# Altium PCB OZ440-SE110-CAR001.PcbDoc (part 1 of 2) (continued)
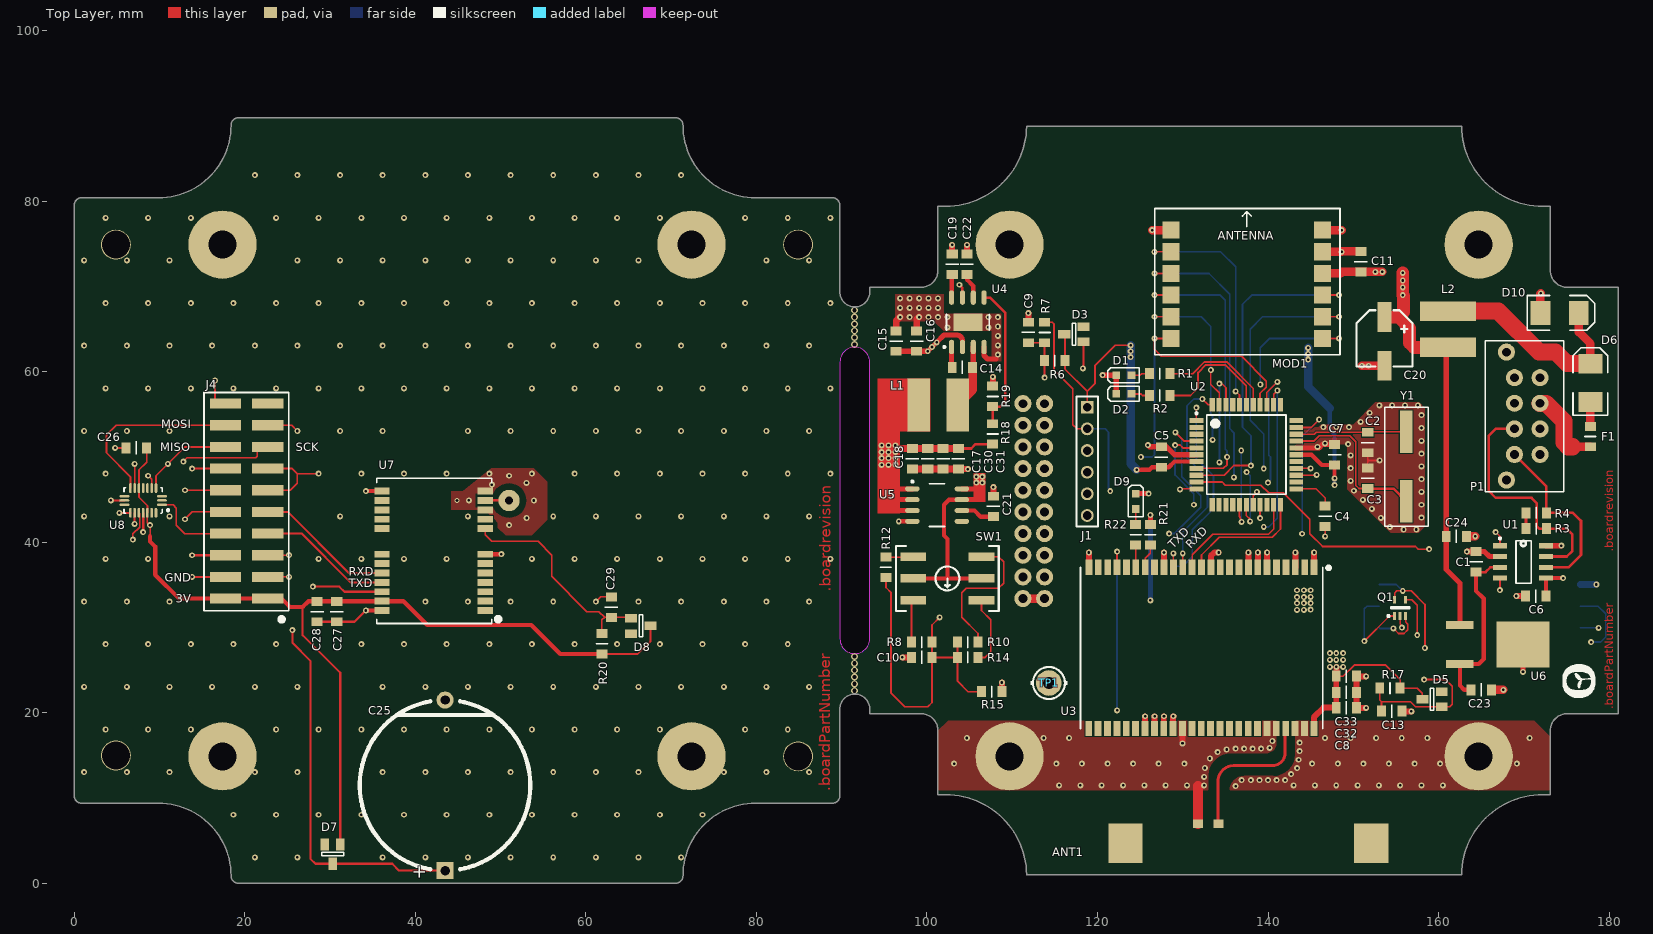
[diagram p0: Top Layer view]
## Footprints (in the part's own frame and the unit in brackets; to place one, negate y for a bottom-side part, rotate by r counter-clockwise, add the part's x,y. Pads: shape width x height; smd on the part's side, far side on the other; paste and mask are expansions set on the pad) (continued)
  silkscreen extent -2.69,-2.46 24.16,7.47, body extent -1.27,-1.07 24.13,6.3, height 11.9
DO214AA-STD [mm]
  rect 2.3x2.8 smd: A(-2.25,0) K(2.25,0)
  silkscreen extent -3.8,-2.03 4.1,2.03, body extent -2.79,-1.97 2.79,1.97, height 2.6
L-SPE-EPL6024 [mm]
  rect 2.65x6.2 smd: 1(0,0) 2(4.55,0)
  body extent -1.01,-3.1 5.59,3.1, height 2.3
L-SPE-LPS6235 [mm]
  rect 2.3x6.6 smd: 1(0,0) 2(4.25,0)
  body extent -0.92,-3.08 5.29,3.13, height 3.5
LGA20-SPE-BMX055 [mm]
  oval 0.3x1.15 smd mask+0.05: 1(-1.5,1.45) 2(-1,1.45) 3(-0.5,1.45) 4(0,1.45) 5(0.5,1.45) 6(1,1.45) 7(1.5,1.45) 11(1.5,-1.45) 12(1,-1.45) 13(0.5,-1.45) 14(0,-1.45) 15(-0.5,-1.45) 16(-1,-1.45) 17(-1.5,-1.45)
  oval 1.15x0.3 smd mask+0.05: 8(2.2,0.5) 9(2.2,0) 10(2.2,-0.5) 18(-2.2,-0.5) 19(-2.2,0) 20(-2.2,0.5)
  silkscreen extent -3.04,-1.5 2.25,1.5, body extent -2.22,-1.52 2.22,1.52, height 1
MEC-STD-TEST_POINT_DIAM1.4 [mm] "test point, hole diameter 1.4mm"
  round 3 hole 1.4: 1(0,0)
  silkscreen extent -2.16,-1.87 2.16,1.87, body extent -1.5,-1.5 1.5,1.5, height 8.6
MOD-SPE-MRF89 [mm]
  rect 2x2 smd: 1(0,0) 2(0,-2.54) 3(0,-5.08) 4(0,-7.62) 5(0,-10.16) 6(0,-12.7) 7(17.78,-12.7) 8(17.78,-10.16) 9(17.78,-7.62) 10(17.78,-5.08) 11(17.78,-2.54) 12(17.78,0)
  silkscreen extent -1.91,-14.6 19.81,2.54, body extent -0.25,-14.22 17.53,13.68, height 1.59
R0805-STD [mm]
  rect 1.05x1.3 smd: 1(-1.2,0) 2(1.2,0)
  silkscreen extent 0,-0.64 0,0.64, body extent -1,-0.61 1,0.64, height 0.6
RADIAL-STD-P20-H5-D20 [mm]
  rect 2x2 hole 1.1: 1(-10,0)
  round 2 hole 1.1: 2(10,0)
  silkscreen extent -9.85,-10 9.85,10, body extent -9.97,-9.89 9.95,10.07, height 5
SC70-SPE-SP0504 [mm]
  rect 0.9x0.35 smd: 1(-0.95,0.65) 2(-0.95,0) 3(-0.95,-0.65) 4(0.95,-0.65) 5(0.95,0.65)
  silkscreen extent -1.07,-1.1 0.1,1.5, body extent -0.67,-1.1 0.67,1.1, height 1
SMD24-SPE-NEO7 [mm]
  rect 1.8x0.8 smd: 1(0,0) 2(0,1.1) 3(0,2.2) 4(0,3.3) 5(0,4.4) 6(0,5.5) 7(0,6.6) 8(0,9.604) 9(0,10.704) 10(0,11.804) 11(0,12.904) 12(0,14.004) 13(-12.1,14.004) 14(-12.1,12.904) 15(-12.1,11.804) 16(-12.1,10.704) 17(-12.1,9.604) 18(-12.1,6.6) 19(-12.1,5.5) 20(-12.1,4.4) 21(-12.1,3.3) 22(-12.1,2.2) 23(-12.1,1.1) 24(-12.1,0)
  silkscreen extent -12.7,-1.52 1.78,15.49, body extent -12.7,-1.27 0.51,15.24, height 3
SMD50_SPE_LEON-Gx [mm]
  rect 1.8x0.8 smd: 1(0,26.4) 2(0,25.3) 3(0,24.2) 4(0,23.1) 5(0,22) 6(0,20.9) 7(0,19.8) 8(0,18.7) 9(0,17.6) 10(0,16.5) 11(0,15.4) 12(0,14.3) 13(0,13.2) 14(0,12.1) 15(0,11) 16(0,9.9) 17(0,8.8) 18(0,7.7) 19(0,6.6) 20(0,5.5) 21(0,4.4) 22(0,3.3) 23(0,2.2) 24(0,1.1) 25(0,0) 26(18.9,-0.025) 27(18.9,1.075) 28(18.9,2.175) 29(18.9,3.275) 30(18.9,4.375) 31(18.9,5.475) 32(18.9,6.575) 33(18.9,7.675) 34(18.9,8.775) 35(18.9,9.875) 36(18.9,10.975) 37(18.9,12.075) 38(18.9,13.175) 39(18.9,14.275) 40(18.9,15.375) 41(18.9,16.475) 42(18.9,17.575) 43(18.9,18.675) 44(18.9,19.775) 45(18.9,20.875) 46(18.9,21.975) 47(18.9,23.075) 48(18.9,24.175) 49(18.9,25.275) 50(18.9,26.375)
  silkscreen extent -0.08,-1 18.9,28.24, body extent 0,-1 18.9,27.5, height 3.5
SO8-SPE-MCP2561 [mm]
  rect 1.65x0.6 smd: 1(0,0) 2(0,-1.27) 3(0,-2.54) 4(0,-3.81) 5(5.4,-3.81) 6(5.4,-2.54) 7(5.4,-1.27) 8(5.4,0)
  silkscreen extent -0.12,-4.41 3.68,0.97, body extent -0.4,-4.35 5.74,0.54, height 1.73
SO8-STD [mm]
  oval 1.7x0.6 smd: 1(0,0) 2(0,-1.27) 3(0,-2.54) 4(0,-3.81) 5(5.8,-3.81) 6(5.8,-2.54) 7(5.8,-1.27) 8(5.8,0)
  silkscreen extent -0.12,-4.41 3.8,0.97, body extent -0.15,-4.37 5.99,0.52, height 1.73
SO8_THERMAL-STD [mm]
  oval 1.7x0.6 smd: 1(0,0) 2(0,-1.27) 3(0,-2.54) 4(0,-3.81) 5(5.8,-3.81) 6(5.8,-2.54) 7(5.8,-1.27) 8(5.8,0)
  rect 2x3.4 smd: 9(2.9,-1.905)
  silkscreen extent -0.12,-4.41 3.8,0.97, body extent -0.15,-4.37 5.99,0.52, height 1.73
SOT23-STD [mm]
  rect 1.4x1 smd: 1(2.275,-0.9) 2(2.275,0.9)
  rect 1.425x1 smd: 3(0,0)
  silkscreen extent 0.94,-1.3 1.35,1.27, body extent -0.18,-1.5 2.46,1.5, height 1.08
SW-SPE-CTS_220-AMA16 [mm]
  rect 3x1 smd: 1(0,5.08) 2(7.985,0) 4(0,0) 8(7.985,5.08) C(0,2.54) C(7.985,2.54)
  silkscreen extent -2.03,-1.27 10.02,6.35, body extent -0.94,-1.16 9.06,6.24, height 4.25
TO252-SPE-UA78Mxx [mm]
  rect 0.93x3.2 smd: 1(0,0) 3(4.58,0)
  rect 5.4x6.2 smd: 4(2.29,7.4)
  body extent -1.04,-0.3 5.69,9.8, height 2.37
TQFP44-SPE-PIC18F45k80 [mm]
  rect 1.6x0.6 smd: 1(-5.85,4) 2(-5.85,3.2) 3(-5.85,2.4) 4(-5.85,1.6) 5(-5.85,0.8) 6(-5.85,0) 7(-5.85,-0.8) 8(-5.85,-1.6) 9(-5.85,-2.4) 10(-5.85,-3.2) 11(-5.85,-4) 23(5.85,-4) 24(5.85,-3.2) 25(5.85,-2.4) 26(5.85,-1.6) 27(5.85,-0.8) 28(5.85,0) 29(5.85,0.8) 30(5.85,1.6) 31(5.85,2.4) 32(5.85,3.2) 33(5.85,4)
  rect 0.6x1.6 smd: 12(-4,-5.85) 13(-3.2,-5.85) 14(-2.4,-5.85) 15(-1.6,-5.85) 16(-0.8,-5.85) 17(0,-5.85) 18(0.8,-5.85) 19(1.6,-5.85) 20(2.4,-5.85) 21(3.2,-5.85) 22(4,-5.85) 34(4,5.85) 35(3.2,5.85) 36(2.4,5.85) 37(1.6,5.85) 38(0.8,5.85) 39(0,5.85) 40(-0.8,5.85) 41(-1.6,5.85) 42(-2.4,5.85) 43(-3.2,5.85) 44(-4,5.85)
  silkscreen extent -5.97,-4.65 4.65,4.97, body extent -6.01,-6.01 6.01,6.01, height 1.1
XTAL-SPE-HC49_SMD [mm]
  rect 5x1.5 smd: 1(0,0) 2(8.15,0)
  silkscreen extent -2.92,-2.59 11.02,2.54, body extent -2.21,-2.44 10.59,2.39, height 4.3

## Part data
ANT1: library part PA.22, "GSM triband antenna"
ANT2: library part GP.1575.35.3.A.02, "35mm GPS patch antenna"
C1 C5 C6 C7 C9 C10 C11 C13 C14 C26 C28 C29 C33: library part VJ0805Y104KXAxx, "0805 100nF / 50V  X7R ceramic capacitor"
C2 C3: library part C0805C150J5GACxx, "0805 15pF / 50V COG ceramic capacitor"
C4: library part C0805C106K9PACxx, "0805 10uF / 6.3V X5R ceramic capacitor"
C8 C32: library part C0805C685K8PACxx, "0805 6.8uF / 10V X5R ceramic capacitor"
C15 C16 C22 C23 C24 C27: library part C0805C105K4RACxx, "0805 1uF / 16V X7R ceramic capacitor"
C17 C18 C30 C31: library part C0805C226M9PACxx, "0805 22uF / 6.3V X5R ceramic capacitor"
C19: library part C0805C682J5GACxx, "0805 6.8nF / 50V COG ceramic capacitor"
C20: library part B41142A4107M, "100uF/16V Aluminium capacitor SMD"
C21: library part VJ0805Y102KXBxx, "0805 1nF / 100V X7R ceramic capacitor"
C25: library part EDLSG105H5R5C, "1F 5V capacitor"
D1 D2 D9: library part KP-1608SGC, "SMD Green LED 0603"
D3 D5 D8: library part BAS16, "100V / 120mA signal  diode"
D6: library part SS24-E3/xxx, "2A/40V schottky diode in SMB package"
D7: library part BAS40, "40V / 120mA signal schottky diode"
D10: library part SMBJ13A, "13V TVS diode, 600W"
F1: library part F0805B2R00FWTR, "0805 2A 63V fuse"
J1: library part 68000-406HLF, "6P, 1 row, 2.54mm header"
J2: library part ESQ-110-12-G-D, "20 pin receptacle, 2.54mm, TH"
J3: library part 91228-3001, "6 PIN SIM connector"
J4: library part TSM-110-02-T-DV, "20 pin header, 2.54mm, SMD"
L1: library part EPL6024-332MEB, "3.3uH 7A SMD inductor"
L2: library part LPS6235-223MR, "22uH SMD inductor"
MOD1: library part MRF89XAM8A-I/RM, "ISM band integrated module"
P1: library part 43045-0812, "8 pin Microfit connector"
Q1: library part SP0504BAJTG, "Diode TVS Aval 4ch."
R1 R2 R7 R22: library part CRCW0805300RFKxx, "300 ohm 0805 SMD resistor"
R3 R4: library part CRCW080559R0FKxx, "59 Ohm 0805 SMD resistor"
R6 R17 R20 R21: library part CRCW080510K0FKxx, "10k Ohm 0805 SMD resistor"
R8: library part CRCW08052K00FKxx, "2k Ohm 0805 SMD resistor"
R10: library part CRCW08054K02FKxx, "4k02 Ohm 0805 SMD resistor"
R12: library part CRCW08058K06FKxx, "8k06 Ohm 0805 SMD resistor"
R14: library part CRCW080516K2FKxx, "16k2 Ohm 0805 SMD resistor"
R15: library part CRCW08051K00FKxx, "1k Ohm 0805 SMD resistor"
R18: library part CRCW080593K1FKxx, "93k1 Ohm 0805 SMD resistor"
R19: library part CRCW080522K0FKxx, "22k Ohm 0805 SMD resistor"
SW1: library part 220AMA16x, "16 positions rotary dip switch"
TP1: library part 3110053000500, "Fork test point, diam 1,4mm, gold plated"
U1: library part MCP2562-E/SN, "CAN transceiver with Vio pin"
U2: library part PIC18F45K80-I/PT, "Pic microcontroller with embeded CAN controller"
U3: library part LEON-G100, "Quad band GSM module"
U4: library part TPS54339DDA, "4.5 V to 23 V Input, 3-A Step-Down DCDC"
U5: library part MCP1725-3002E/SN, "low drop, 3V linear regulator"
U6: library part UA78M05IKVURG3, "5V / 500mA linear regulator"
U7: library part NEO-7, "Neo 7 GPS module"
U8: library part BMX055, "9 axis SPI IMU sensor"
Y1: library part MCRSD16000F183000RR, "16Mhz Crystal"

## Free pads (board coordinates)
  round 3.5 hole 3.3: 0(4.9,15) 0(4.9,74.9) 0(84.9,14.9) 0(84.9,74.9)
  round 8 hole 3.3: 0(17.4,14.9) 0(17.4,74.9) 0(72.4,14.9) 0(72.4,74.9) 0(109.7,14.9) 0(109.7,74.9) 0(164.7,14.9) 0(164.7,74.9)

## Via types
v1: diameter 0.7, hole 0.3, Top Layer to Bottom Layer, 444 vias
v2: diameter 0.7, hole 0.3, Top Layer to Bottom Layer, tented both sides, 74 vias
v3: diameter 0.7, hole 0.3, Top Layer to Bottom Layer, tented top, 39 vias
v4: diameter 0.8, hole 0.5, Top Layer to Bottom Layer, tented both sides, 12 vias
v5: diameter 0.6, hole 0.3, Top Layer to Bottom Layer, 1 vias

## Nets (pads, with @x,y where several pads share a name; then routed paths per layer and width w, separated by ;. In a path a pad name is that pad's centre, name@x,y a point inside that pad or via, vN(x,y) a via of type N, cw(c..) or ccw(c..) an arc to the next point about the centre after c; other vN are vias at no path point)
3V: C5.2 C6.2 C7.2 C11.2 D3.3 J1.1 J2.1 J2.2 MOD1.10 R6.2 SW1.C U1.5 U2.7 U2.28 U5.7 U5.8 | length 168.5
  Top Layer w0.2: D3.3@116.2,64.3 R6.2@116.2,61.3 116.2,60.3 118.8,57.7 ; J1.1@118.8,55.84 118.8,57.7 ; v1(123.9,63.09) 122.09,63.09 119.7,60.7 119.7,58.6 118.8,57.7
  Top Layer w0.5: SW1.C@98.415,35.76 102.41,35.76 ; U5.7@104.1,44.997 102.597,44.997 102,44.4 102,40.8 102.41,40.39 102.41,35.76 ; SW1.C@106.4,35.76 102.41,35.76 ; v1(124.6,48.5) 126.1,48.5 126.4,48.8 C5.2@127.5,48.8 128.367,48.8 129.033,49.467 U2.7@131.615,49.467 ; U2.28@143.315,50.267 145.1,50.267 146.3,49.067 C7.2@147.8,49.067 v1(147.8,47.5) ; C6.2@172.6,33.7 U1.5@172.6,35.79 ; U1.5@172.61,35.8 v1(174.6,35.8)
  Top Layer w0.6: U5.7@104.1,44.997 105.8,44.997 105.8,46.267 U5.8@104.1,46.267
  Top Layer w1: J2.2@111.26,33.4 J2.1@113.8,33.4 ; MOD1.10@146.406,71.526 148.526,71.526 148.7,71.7 C11.2@150.9,71.7 v1(152.6,71.7) v1(153.4,71.7)
  Mid-Layer 2 w0.5: v1(147.8,47.5) v1(147.8,46.7) 158.7,35.8 v1(174.6,35.8)
  Mid-Layer 2 w1: 106.1,48.273 106.1,35.9 108.6,33.4 J2.2@111.26,33.4 J2.1@113.8,33.4 ; 144.5,65.3 144.5,68.5 147.7,71.7 v1(152.6,71.7) v1(153.4,71.7)
  Bottom Layer w0.5: 147.25,53.811 147.25,53.189 147.8,52.639 v1(147.8,47.5) v1(147.8,46.7) ; 147.251,53.812 147.251,55.698
  Bottom Layer w1: v1(123.9,63.09) v1(123.9,62.4) v1(123.9,61.7) 123.9,49.2 v1(124.6,48.5) ; v1(144.7,62.8) v1(144.7,62.1) v1(144.7,61.41) 144.7,58.249 147.251,55.698
  other v1: 105.8,47 106.5,47 105.8,47.7 106.5,47.7
3V_MEZZ: C26.2 C27.2 C28.2 D7.1 D8.3 J4.1 J4.2 R20.2 U7.23 U8.3 U8.13 | length 110.6
  Top Layer w0.15: U8.3@8.6,43.454 8.6,42.3 v1(8.9,42) 8.9,40.7
  Top Layer w0.2: C26.2@8.5,51.067 8.5,49.4 7.6,48.5 U8.13@7.6,46.354 7.6,45.3 8.6,44.3 U8.3@8.6,43.454 ; R20.2@61.9,26.9 66.1,26.9 67.6,28.4 D8.3@67.6,30.2
  Top Layer w0.25: 26.8,32.4 26.8,29.1 31.2,24.7 D7.1@31.2,4.575
  Top Layer w0.5: 8.9,40.7 8.9,40.1 9.5,39.5 9.5,36.2 12.299,33.401 24.299,33.401 25.3,32.4 26.8,32.4 27.482,33.082 C28.2@28.5,33.082 C27.2@30.8,33.082 36.082,33.082 U7.23@36.1,33.1 38.6,33.1 41.4,30.3 53.6,30.3 57,26.9 R20.2@61.9,26.9
4V: C8.2 C17.2 C18.2 C30.2 C31.2 C32.2 C33.1 D5.3 L1.2 R17.2 R18.2 R21.2 U3.50 U5.1 U5.2 U5.3 | length 50.4
  Top Layer w0.2: C32.2@148,24.3 148.8,24.3 150.1,25.6 153.8,25.6 155.5,23.9 R17.2@155.5,22.9 157.5,22.9 158.1,22.3 D5.3@158.1,21.6
  Top Layer w0.3: C31.2@103.7,51 105.2,51 105.7,51.5 R18.2@107.7,51.5
  Top Layer w0.6: 96.403,44.997 U5.2@98.3,44.997 ; 96.43,43.727 U5.3@98.3,43.727 ; 96.5,46.267 U5.1@98.3,46.267 ; R21.2@126.2,42.1 v1(126.2,43.2)
  Top Layer w0.7: U3.50@145.375,18.16 145.375,19.475 146.5,20.6 C8.2@148,20.6 C33.1@148,22.4 C32.2@148,24.3 148.025,24.325 v1(148.025,25.4)
  Top Layer w0.8: 96.7,51 C18.2@98.3,51 C17.2@100.1,51 C30.2@101.9,51 C31.2@103.7,51
  Bottom Layer w0.6: v2(126.2,33.2) v1(126.2,43.2)
  other v1: 147.251,25.4 148.8,25.4 147.251,26.2 148,26.2 148.8,26.2 147.251,27 148,27 148.8,27 94.7,49.075 95.5,49.075 96.3,49.1 94.7,49.875 95.5,49.875 96.3,49.875 94.7,50.575 95.5,50.575 96.3,50.6 94.7,51.375 95.5,51.375 96.3,51.375
  other v2: 143.4,32.075 144.2,32.075 145,32.1 143.4,32.875 144.2,32.875 145,32.875 143.4,33.575 144.2,33.575 145,33.6 143.4,34.375 144.2,34.375 145,34.375
5V: C1.2 C23.2 U1.3 U6.3 | length 20.7
  Top Layer w0.3: C1.2@164.4,36.5 165.5,36.5 166.06,37.06 U1.3@167.2,37.06
  Top Layer w0.5: C23.2@163.8,22.7 163,22.7 162.5,23.2 U6.3@162.5,25.72 164.72,25.72 165.3,26.3 165.3,33.4 164.4,34.3 C1.2@164.4,36.5
12V: F1.1 P1.2 | length 9.5
  Top Layer w1: 175.7,51.2 F1.1@177.8,51.2
  Top Layer w2: P1.2@171.9,56.3 172.6,56.3 174.7,54.2 174.7,51.7 175.2,51.2 175.7,51.2
\R\E\S\E\T_PIC_1: J1.2 R7.2 U2.18 | length 45.3
  Top Layer w0.2: R7.2@113.8,65.8 114.7,65.8 114.9,65.6 114.9,60.2 117.1,58 117.1,53.8 117.6,53.3 J1.2@118.8,53.3 ; U2.18@138.265,44.417 138.265,45.465 v1(138.7,45.9)
  Mid-Layer 2 w0.2: v1(121.5,46.004) 121.5,46.043 121.932,46.475 126.725,46.475 128,45.2 138,45.2 v1(138.7,45.9)
  Bottom Layer w0.2: J1.2@118.8,53.3 120.9,53.3 121.3,52.9 121.3,46.204 v1(121.5,46.004)
ADDR_CAN_1: C10.2 R8.2 R10.2 R12.2 R14.2 R15.2 U2.19 | length 98.4
  Top Layer w0.2: R12.2@95.2,35.86 95.2,34.7 95.8,34.1 95.8,22.3 97.4,20.7 100.09,20.7 100.6,21.21 100.6,22.5 C10.2@100.6,26.5 ; v1(101.5,31.2) 100.6,30.3 R8.2@100.6,28.3 C10.2@100.6,26.5 ; R10.2@103.6,28.3 R14.2@103.6,26.5 ; R15.2@106.4,22.482 104.818,22.482 103.6,23.7 R14.2@103.6,26.5 ; v1(139.065,42.825) U2.19@139.065,44.417 ; C10.2@100.6,26.5 R14.2@103.6,26.5
  Mid-Layer 2 w0.2: v1(101.5,31.2) 102.1,31.8 114.9,31.8 120.5,37.4 142.9,37.4 145.3,39.8 145.3,41.857 144.331,42.825 v1(139.065,42.825)
CANH_1: P1.7 R3.2 U1.7 | length 28.6
  Top Layer w0.3: P1.7@168.9,53.3 166.7,53.3 165.9,52.5 165.9,46.004 166.704,45.2 170.9,45.2 171.5,44.6 171.5,41.9 171.796,41.604 R3.2@172.65,41.604 174.996,41.604 175.7,40.9 175.7,39 175.03,38.33 U1.7@172.6,38.33
CANL_1: P1.8 R4.1 U1.6 | length 21.5
  Top Layer w0.3: P1.8@168.9,50.3 172.65,46.55 R4.1@172.65,43.454 175.746,43.454 176.7,42.5 176.7,38.51 175.25,37.06 U1.6@172.6,37.06
CLK_SIM_1: J3.C3 Q1.3 U3.32 | length 40.7
  Top Layer w0.2: v1(154.7,29.9) 155.3,29.3 155.95,29.3 156.4,29.75 156.4,30.4 156.15,30.65 Q1.3@156.15,31.35
  Top Layer w0.7: U3.32@125.575,18.16 125.575,19.575 v2(125.6,19.6)
  Mid-Layer 2 w0.2: v2(125.6,19.6) 125.6,20.3 135.2,29.9 v1(154.7,29.9)
  Bottom Layer w0.2: J3.C3@153.06,29.972 153.132,29.9 v1(154.7,29.9)
GND: ANT1.2 C1.1 C2.1 C3.1 C4.2 C5.1 C6.1 C7.1 C8.1 C9.1 C10.1 C11.1 C13.1 C15.2 C16.2 C17.1 C18.1 C19.1 C20.2 C21.1 C22.1 C23.1 C24.1 C30.1 C31.1 C32.1 C33.2 D1.2 D2.2 D9.2 D10.A J1.6 J2.3 J2.4 J2.5 J2.6 J2.11 J2.13 J2.14 J2.17 J2.20 J3.C5 MOD1.1 MOD1.11 MOD1.12 P1.1 pad.0@109.7,14.9 pad.0@109.7,74.9 pad.0@164.7,14.9 pad.0@164.7,74.9 Q1.2 R15.1 R19.1 TP1.1 U1.2 U1.8 U2.6 U2.29 U3.1 U3.3 U3.6 U3.7 U3.8 U3.12 U3.17 U3.25 U3.36 U3.45 U3.46 U3.48 U3.49 U4.4 U4.9 U5.4 U6.4 | length 100
  Top Layer w0.2: v1(146.7,40.7) C4.2@146.7,41.849 ; C3.1@151.7,48.7 151.7,49.6 ; C2.1@151.7,50.5 151.7,49.6 ; v1(153.1,49.6) 151.7,49.6 ; Q1.2@155.5,31.35 155.5,30.5 v1(155.7,30)
  Top Layer w0.5: v1(96.7,42.457) U5.4@98.3,42.457
  Top Layer w0.6: U4.4@106.71,62.9 106.71,61.89 107.1,61.5 108.1,61.5 ; v1(120.6,59.59) D1.2@122.2,59.59 D2.2@122.2,57.4 ; D9.2@124.5,45.7 v1(126,45.7) ; v1(125.9,51.4) 126.1,51.2 C5.1@127.5,51.2 128.1,51.2 129.033,50.267 U2.6@131.615,50.267 ; U2.29@143.315,51.067 145.967,51.067 146.367,51.467 C7.1@147.8,51.467 ; C1.1@164.4,38.9 165.4,38.9 165.97,38.33 U1.2@167.2,38.33 ; v1(169.9,24.8) U6.4@169.9,28.01 ; U1.8@172.6,39.6 v1(174.4,39.6)
  Top Layer w0.7: v1(97.125,26.5) C10.1@98.2,26.5 C10.1@98.225,26.475 ; C19.1@102.97,73.8 v1(102.97,74.875) ; C31.1@103.7,48.6 103.725,48.575 v1(104.8,48.575) ; C22.1@104.7,73.8 v1(104.7,74.875) ; R19.1@107.7,58.3 107.725,58.325 v1(107.725,59.4) ; C21.1@107.775,45.375 C21.1@107.8,45.4 v1(107.8,46.475) ; R15.1@108.775,22.456 R15.1@108.8,22.482 v1(108.8,23.556) ; C9.1@111.875,65.775 C9.1@111.9,65.8 v1(111.9,66.875) ; U3.25@119,37.06 v1(119,38.8) ; U3.17@127.8,37.06 v1(127.8,38.8) ; v1(129.975,16.42) U3.36@129.975,18.16 ; U3.12@133.3,37.06 133.3,38.4 133.7,38.8 v1(134.2,38.8) ; U3.8@137.7,37.06 v1(137.7,38.8) ; U3.7@138.8,37.06 v1(138.8,38.8) ; U3.6@139.9,37.06 v1(139.9,38.8) ; U3.3@143.2,37.06 v1(143.2,38.8) ; U3.1@145.4,37.06 v1(145.4,38.8) ; C33.2@150.425,22.375 C33.2@150.4,22.4 ; v1(151.5,20.575) 150.425,20.575 C8.1@150.4,20.6 C33.2@150.4,22.4 ; v1(151.5,24.275) 150.425,24.275 C32.1@150.4,24.3 C33.2@150.4,22.4 ; C13.1@155.7,20.2 155.725,20.175 v1(156.8,20.175) ; v1(163.325,38.9) C1.1@164.4,38.9 C1.1@164.425,38.875 ; v1(169.125,33.7) C6.1@170.2,33.7 C6.1@170.225,33.675
  Top Layer w0.8: C15.2@96.4,64.8 96.4,65.94 v2(96.86,66.4) ; C18.1@98.3,48.6 C17.1@100.1,48.6 C30.1@101.9,48.6 C31.1@103.7,48.6 ; C16.2@98.8,64.8 98.8,66.12 v2(99.08,66.4)
  Top Layer w1: v1(126.4,76.606) MOD1.1@128.626,76.606 ; MOD1.11@146.406,74.066 v1(148.631,74.066) ; MOD1.12@146.406,76.606 v1(148.631,76.606) ; v1@148.631,74.1 C11.1@150.9,74.1 ; v1(151,60.7) v1(151.8,60.7) C20.2@153.66,60.7 ; C24.1@163.3,40.7 v1(164.3,40.7) ; C23.1@166.2,22.7 v1(167.6,22.7) ; D10.A@171.95,66.9 171.95,69.15 v1(172,69.2)
  Top Layer w1.2: ANT1.2@131.8,7 131.8,11.4
  Bottom Layer w0.8: J3.C5@176.61,35.052 v1(178.5,35.052)
  other v1: 103.184,14.049 115.184,14.049 118.184,14.049 121.184,14.049 124.184,14.049 127.184,14.049 130.184,14.049 145.184,14.049 148.184,14.049 151.184,14.049 154.184,14.049 157.184,14.049 160.184,14.049 169.184,14.049 104.684,17.049 113.684,17.049 116.684,17.049 146.684,17.049 149.684,17.049 152.684,17.049 155.684,17.049 158.684,17.049 170.684,17.049
  other v2: 155.9,41.5 157.4,41.5 154.3,41.8 153.239,42.861 158,42.9 152.179,43.921 158,44.4 151.118,44.982 158,45.9 150.057,46.043 149.7,47.2 158,47.4 149.7,48.7 158,48.9 149.7,50.2 158,50.4 145.8,51.2 149.4,51.5 146.684,51.6 158,51.9 158,53.4 146.5,53.5 148,53.5 149.5,53.5 150.861,54.11 158,54.9 151.921,55.17 153.061,56.061 154.561,56.061 156.061,56.061 157.561,56.061 108.31,62 108.31,63.1 108.31,64.2 102.41,65.2 107.2,65.2 108.31,65.3 97.97,66.4 100.19,66.4 101.3,66.4 102.41,66.4 107.2,66.4 108.31,66.4 96.86,67.5 97.97,67.5 99.08,67.5 100.19,67.5 101.3,67.5 96.86,68.6 97.97,68.6 99.08,68.6 100.19,68.6 101.3,68.6
  other v3: 136.2,11.4 115.5,11.5 118,11.5 120.5,11.5 123,11.5 125.5,11.5 128,11.5 130.5,11.5 132.5,11.5 143,11.5 145.5,11.5 148,11.5 150.5,11.5 153,11.5 155.5,11.5 158,11.5 160.5,11.5 136.9,12.1 138,12.1 139,12.1 140,12.1 141,12.1 142,12.1 132.5,12.5 142.707,12.807 132.6,13.529 143.414,13.514 143.6,14.5 133.171,14.642 134.1,15.4 143.7,15.5 135.143,15.7 136.2,15.8 137.2,15.8 138.2,15.8 139.2,15.8 140.2,15.888 143.7,16.5 140.5,16.7
GND_MEZZ: C25.2 C26.1 C27.1 C28.1 C29.1 J4.3 J4.4 J4.5 J4.6 J4.11 J4.13 J4.14 J4.17 J4.20 pad.0@4.9,15 pad.0@4.9,74.9 pad.0@17.4,14.9 pad.0@17.4,74.9 pad.0@72.4,14.9 pad.0@72.4,74.9 pad.0@84.9,14.9 pad.0@84.9,74.9 U7.7 U7.10 U7.12 U7.13 U7.24 U8.4 U8.6 U8.7 | length 54.8
  Top Layer w0.15: J4.3@22.5,35.941 v1(25.2,35.941) ; J4.5@22.72,38.5 v1(25.2,38.5) ; v1(61.184,33.049) 61.735,33.6 C29.1@63,33.6
  Top Layer w0.2: J4.11@22.7,46.1 25.344,46.1 26.151,46.907 26.151,48.049 ; J4.13@22.7,48.64 25.56,48.64 26.151,48.049 ; J4.17@22.7,53.72 25.513,53.72 v1(26.184,53.049) ; v1(28.684,48.049) 26.151,48.049
  Top Layer w0.25: v1(4.8,51.067) C26.1@6.1,51.067 ; v1(5.3,43.454) U8.7@6.6,43.454 ; v1(7.1,42.154) U8.6@7.1,43.454 ; v1(8.1,41.2) U8.4@8.1,43.454 ; v1(13.827,35.941) J4.4@16.538,35.941 ; v1(13.827,38.481) J4.6@16.538,38.481 ; v1(13.827,48.641) J4.14@16.538,48.641 ; J4.20@16.538,56.261 v1(16.538,58.973) ; J4.3@21.488,35.941 J4.3@22.5,35.941 ; J4.5@21.488,38.481 J4.5@24.2,38.481 ; C28.1@28.5,30.682 C27.1@30.8,30.682 32.882,30.682 v1(34.2,32)
  Top Layer w0.5: v1(34.2,32) U7.24@36.1,32 ; v1(34.2,46.004) U7.13@36.1,46.004 ; U7.7@48.2,38.6 v1(50.1,38.6)
  other v1: 21.184,3.049 26.184,3.049 36.184,3.049 41.184,3.049 46.184,3.049 51.184,3.049 56.184,3.049 61.184,3.049 66.184,3.049 71.184,3.049 18.684,8.049 23.684,8.049 28.684,8.049 33.684,8.049 38.684,8.049 43.684,8.049 48.684,8.049 53.684,8.049 58.684,8.049 63.684,8.049 68.684,8.049 73.684,8.049 1.184,13.049 6.184,13.049 11.184,13.049 21.184,13.049 26.184,13.049 36.184,13.049 41.184,13.049 46.184,13.049 51.184,13.049 56.184,13.049 61.184,13.049 66.184,13.049 76.184,13.049 81.184,13.049 86.184,13.049 3.684,18.049 8.684,18.049 13.684,18.049 23.684,18.049 28.684,18.049 33.684,18.049 38.684,18.049 43.684,18.049 48.684,18.049 53.684,18.049 58.684,18.049 63.684,18.049 68.684,18.049 78.684,18.049 83.684,18.049 1.184,23.049 6.184,23.049 11.184,23.049 16.184,23.049 21.184,23.049 26.184,23.049 36.184,23.049 41.184,23.049 46.184,23.049 51.184,23.049 56.184,23.049 61.184,23.049 66.184,23.049 71.184,23.049 76.184,23.049 81.184,23.049 86.184,23.049 3.684,28.049 8.684,28.049 13.684,28.049 18.684,28.049 23.684,28.049 33.684,28.049 38.684,28.049 43.684,28.049 48.684,28.049 53.684,28.049 58.684,28.049 63.684,28.049 68.684,28.049 73.684,28.049 78.684,28.049 83.684,28.049 1.184,33.049 6.184,33.049 11.184,33.049 41.184,33.049 46.184,33.049 51.184,33.049 56.184,33.049 66.184,33.049 71.184,33.049 76.184,33.049 81.184,33.049 86.184,33.049 3.684,38.049 8.684,38.049 28.684,38.049 33.684,38.049 38.684,38.049 43.684,38.049 53.684,38.049 58.684,38.049 63.684,38.049 68.684,38.049 73.684,38.049 78.684,38.049 83.684,38.049 88.684,38.049 51,42 53.056,42.849 1.184,43.049 11.184,43.049 31.184,43.049 46.184,43.049 56.184,43.049 61.184,43.049 66.184,43.049 71.184,43.049 76.184,43.049 81.184,43.049 86.184,43.049 46.3,44.904 53.9,44.9 48.99,46.757 53.051,46.956 51,47.8 3.684,48.049 33.684,48.049 38.684,48.049 43.684,48.049 48.684,48.049 53.684,48.049 58.684,48.049 63.684,48.049 68.684,48.049 73.684,48.049 78.684,48.049 83.684,48.049 88.684,48.049 1.184,53.049 6.184,53.049 11.184,53.049 31.184,53.049 36.184,53.049 46.184,53.049 51.184,53.049 56.184,53.049 61.184,53.049 66.184,53.049 71.184,53.049 76.184,53.049 81.184,53.049 86.184,53.049 3.684,58.049 8.684,58.049 13.684,58.049 18.684,58.049 23.684,58.049 28.684,58.049 33.684,58.049 38.684,58.049 43.684,58.049 48.684,58.049 53.684,58.049 58.684,58.049 63.684,58.049 68.684,58.049 73.684,58.049 78.684,58.049 83.684,58.049 88.684,58.049 1.184,63.049 6.184,63.049 11.184,63.049 16.184,63.049 21.184,63.049 26.184,63.049 31.184,63.049 36.184,63.049 41.184,63.049 46.184,63.049 51.184,63.049 56.184,63.049 61.184,63.049 66.184,63.049 71.184,63.049 76.184,63.049 81.184,63.049 86.184,63.049 3.684,68.049 8.684,68.049 13.684,68.049 18.684,68.049 23.684,68.049 28.684,68.049 33.684,68.049 38.684,68.049 43.684,68.049 48.684,68.049 53.684,68.049 58.684,68.049 63.684,68.049 68.684,68.049 73.684,68.049 78.684,68.049 83.684,68.049 88.684,68.049 1.184,73.049 6.184,73.049 11.184,73.049 26.184,73.049 31.184,73.049 36.184,73.049 41.184,73.049 46.184,73.049 51.184,73.049 56.184,73.049 61.184,73.049 66.184,73.049 81.184,73.049 86.184,73.049 3.684,78.049 8.684,78.049 13.684,78.049 23.684,78.049 28.684,78.049 33.684,78.049 38.684,78.049 43.684,78.049 48.684,78.049 53.684,78.049 58.684,78.049 63.684,78.049 68.684,78.049 78.684,78.049 83.684,78.049 88.684,78.049 21.184,83.049 26.184,83.049 31.184,83.049 36.184,83.049 41.184,83.049 46.184,83.049 51.184,83.049 56.184,83.049 61.184,83.049 66.184,83.049 71.184,83.049
  other v5: 44.9,44.9
GPS_RESET_1: C29.2 D8.1 R20.1 U7.8 | length 25.2
  Top Layer w0.15: U7.8@48.2,41.604 48.2,40.9 49,40.1 54.4,40.1 56,38.5 56,36 60.118,31.882 61.518,31.882 62.2,31.2 ; R20.1@61.9,29.3 61.9,30.9 62.2,31.2 ; D8.1@65.225,31.2 C29.2@63,31.2 62.2,31.2
GSM_ANT_1: ANT1.1 U3.47 | length 17.6
  Top Layer w0.33: ANT1.1@134.127,7.073 134.127,11.945 cw(c135.992,11.945) 135.992,13.81 140.526,13.81 ccw(c140.526,15.284) 142,15.284 142,18.085 cw(c142.075,18.085) U3.47@142.075,18.16